# KiCad board megacrane.kicad_pcb
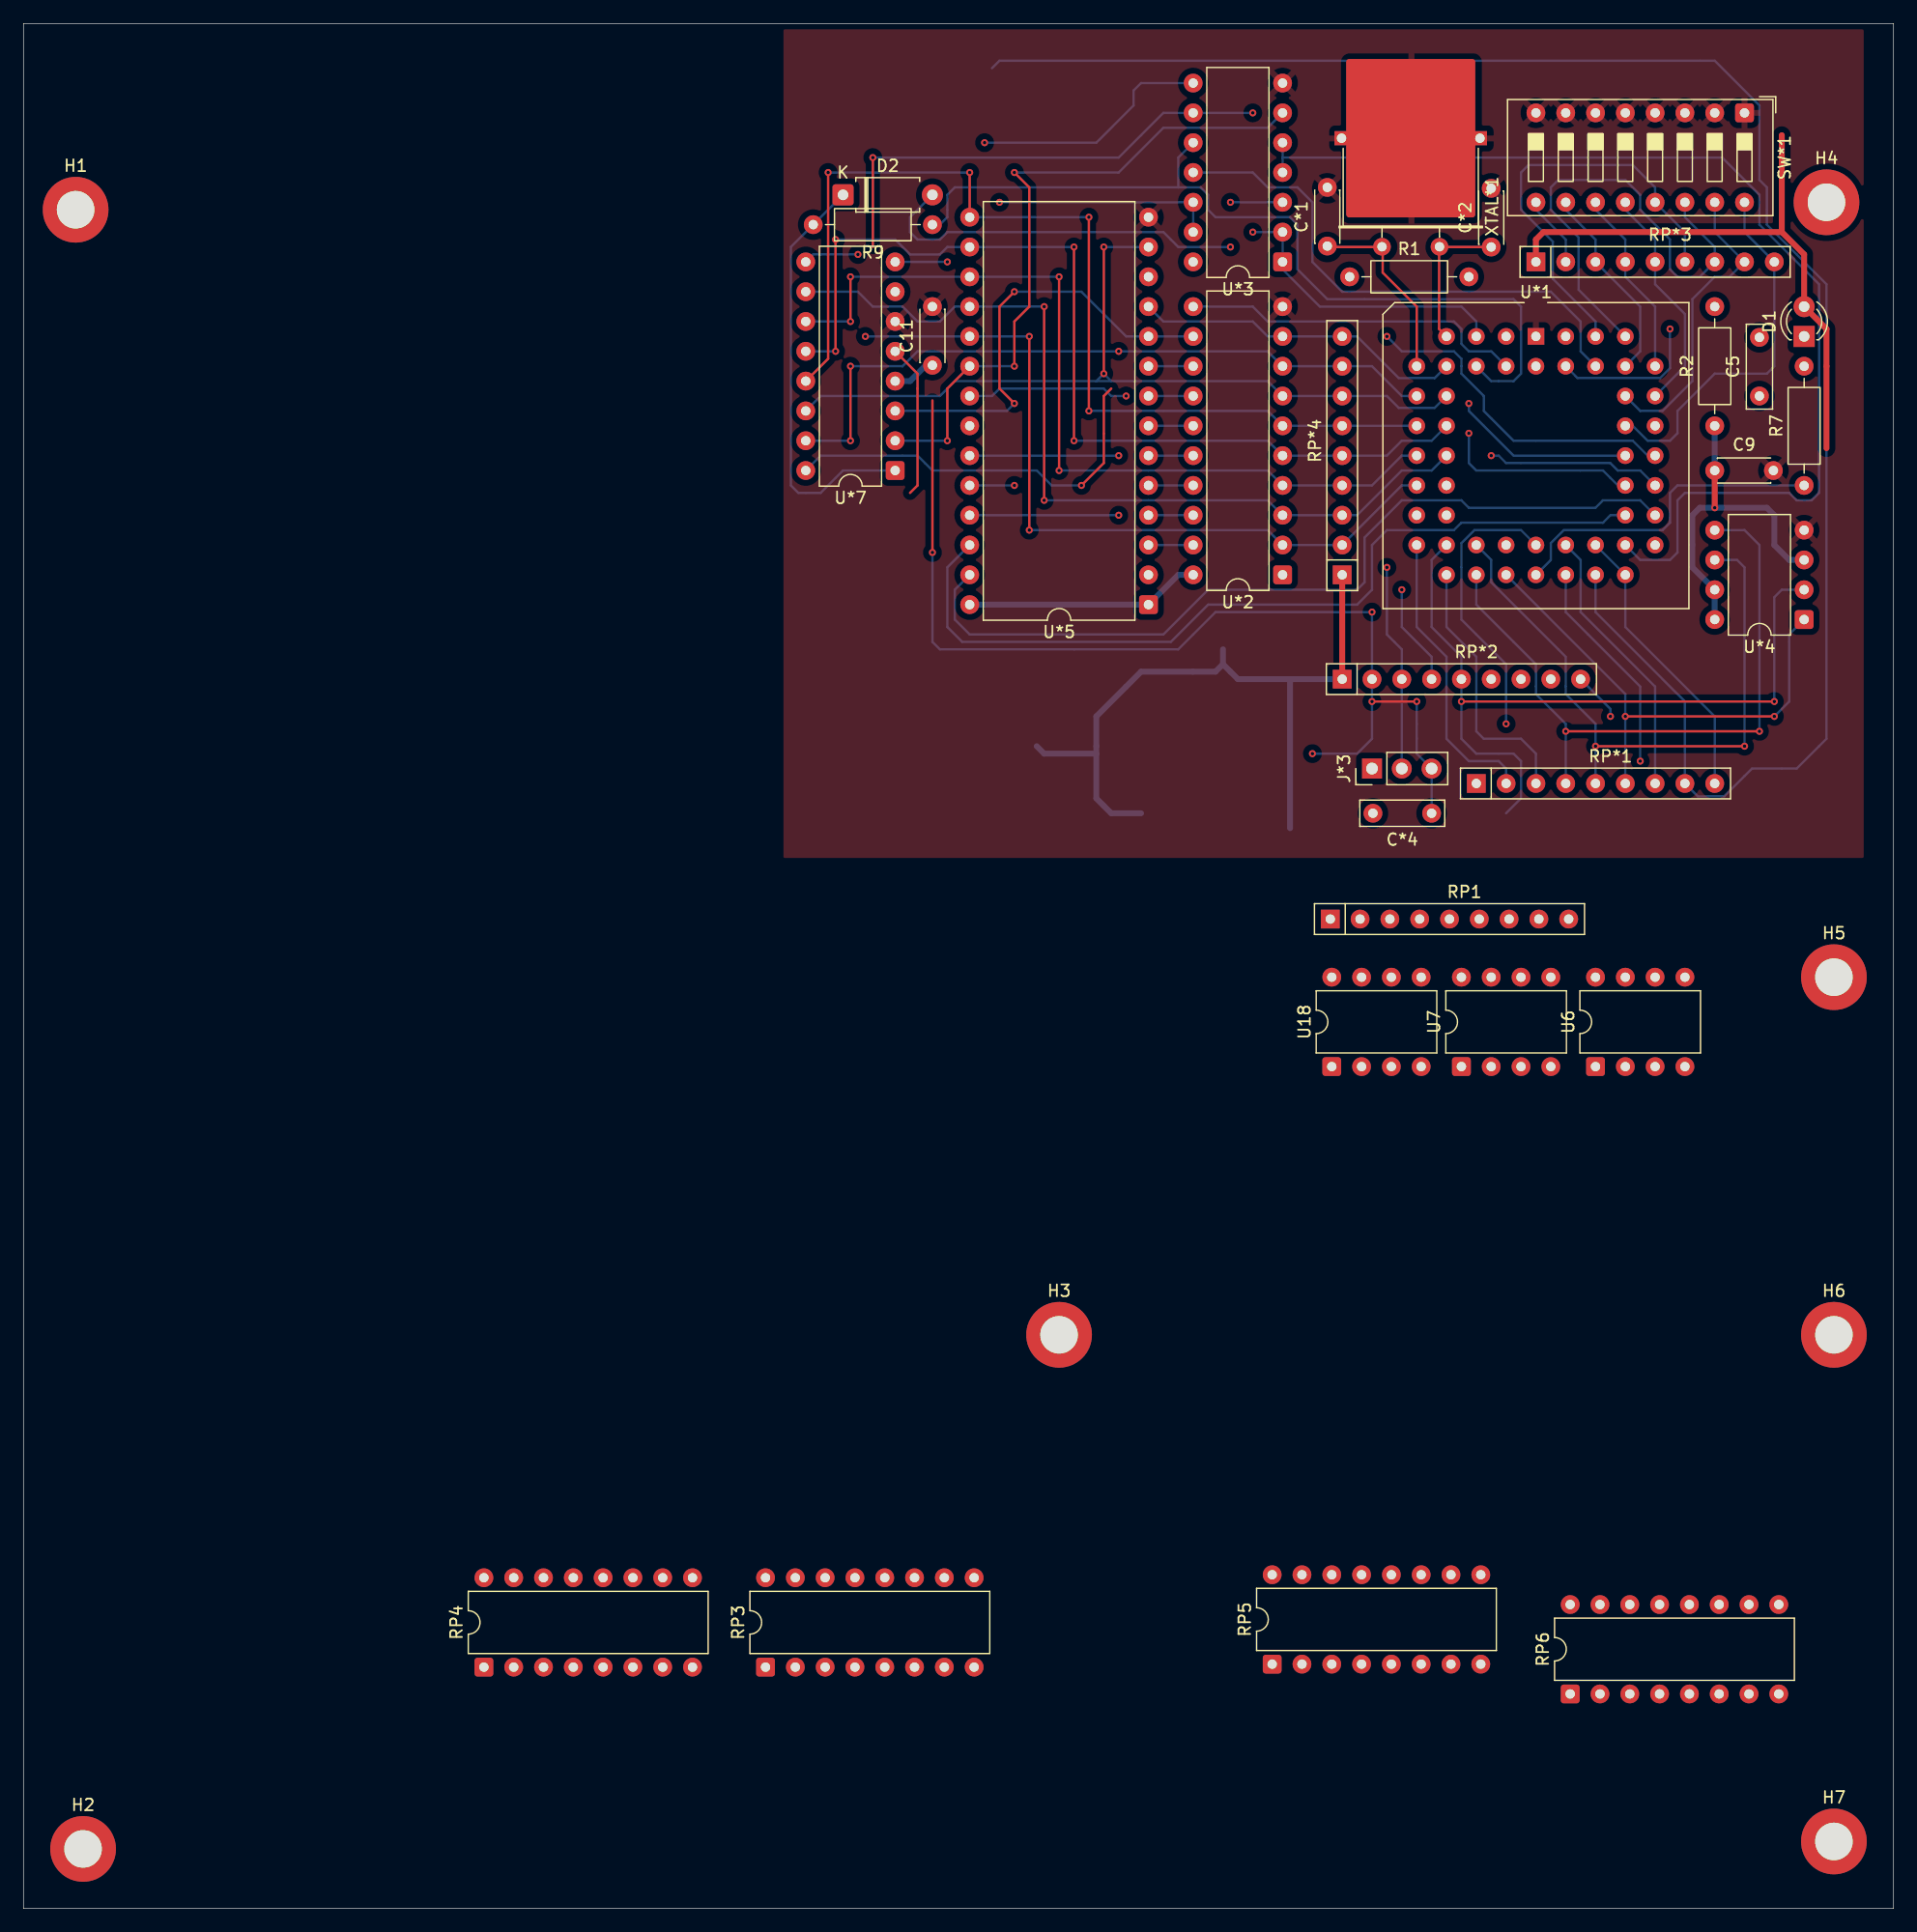
[diagram p0: board, top side]
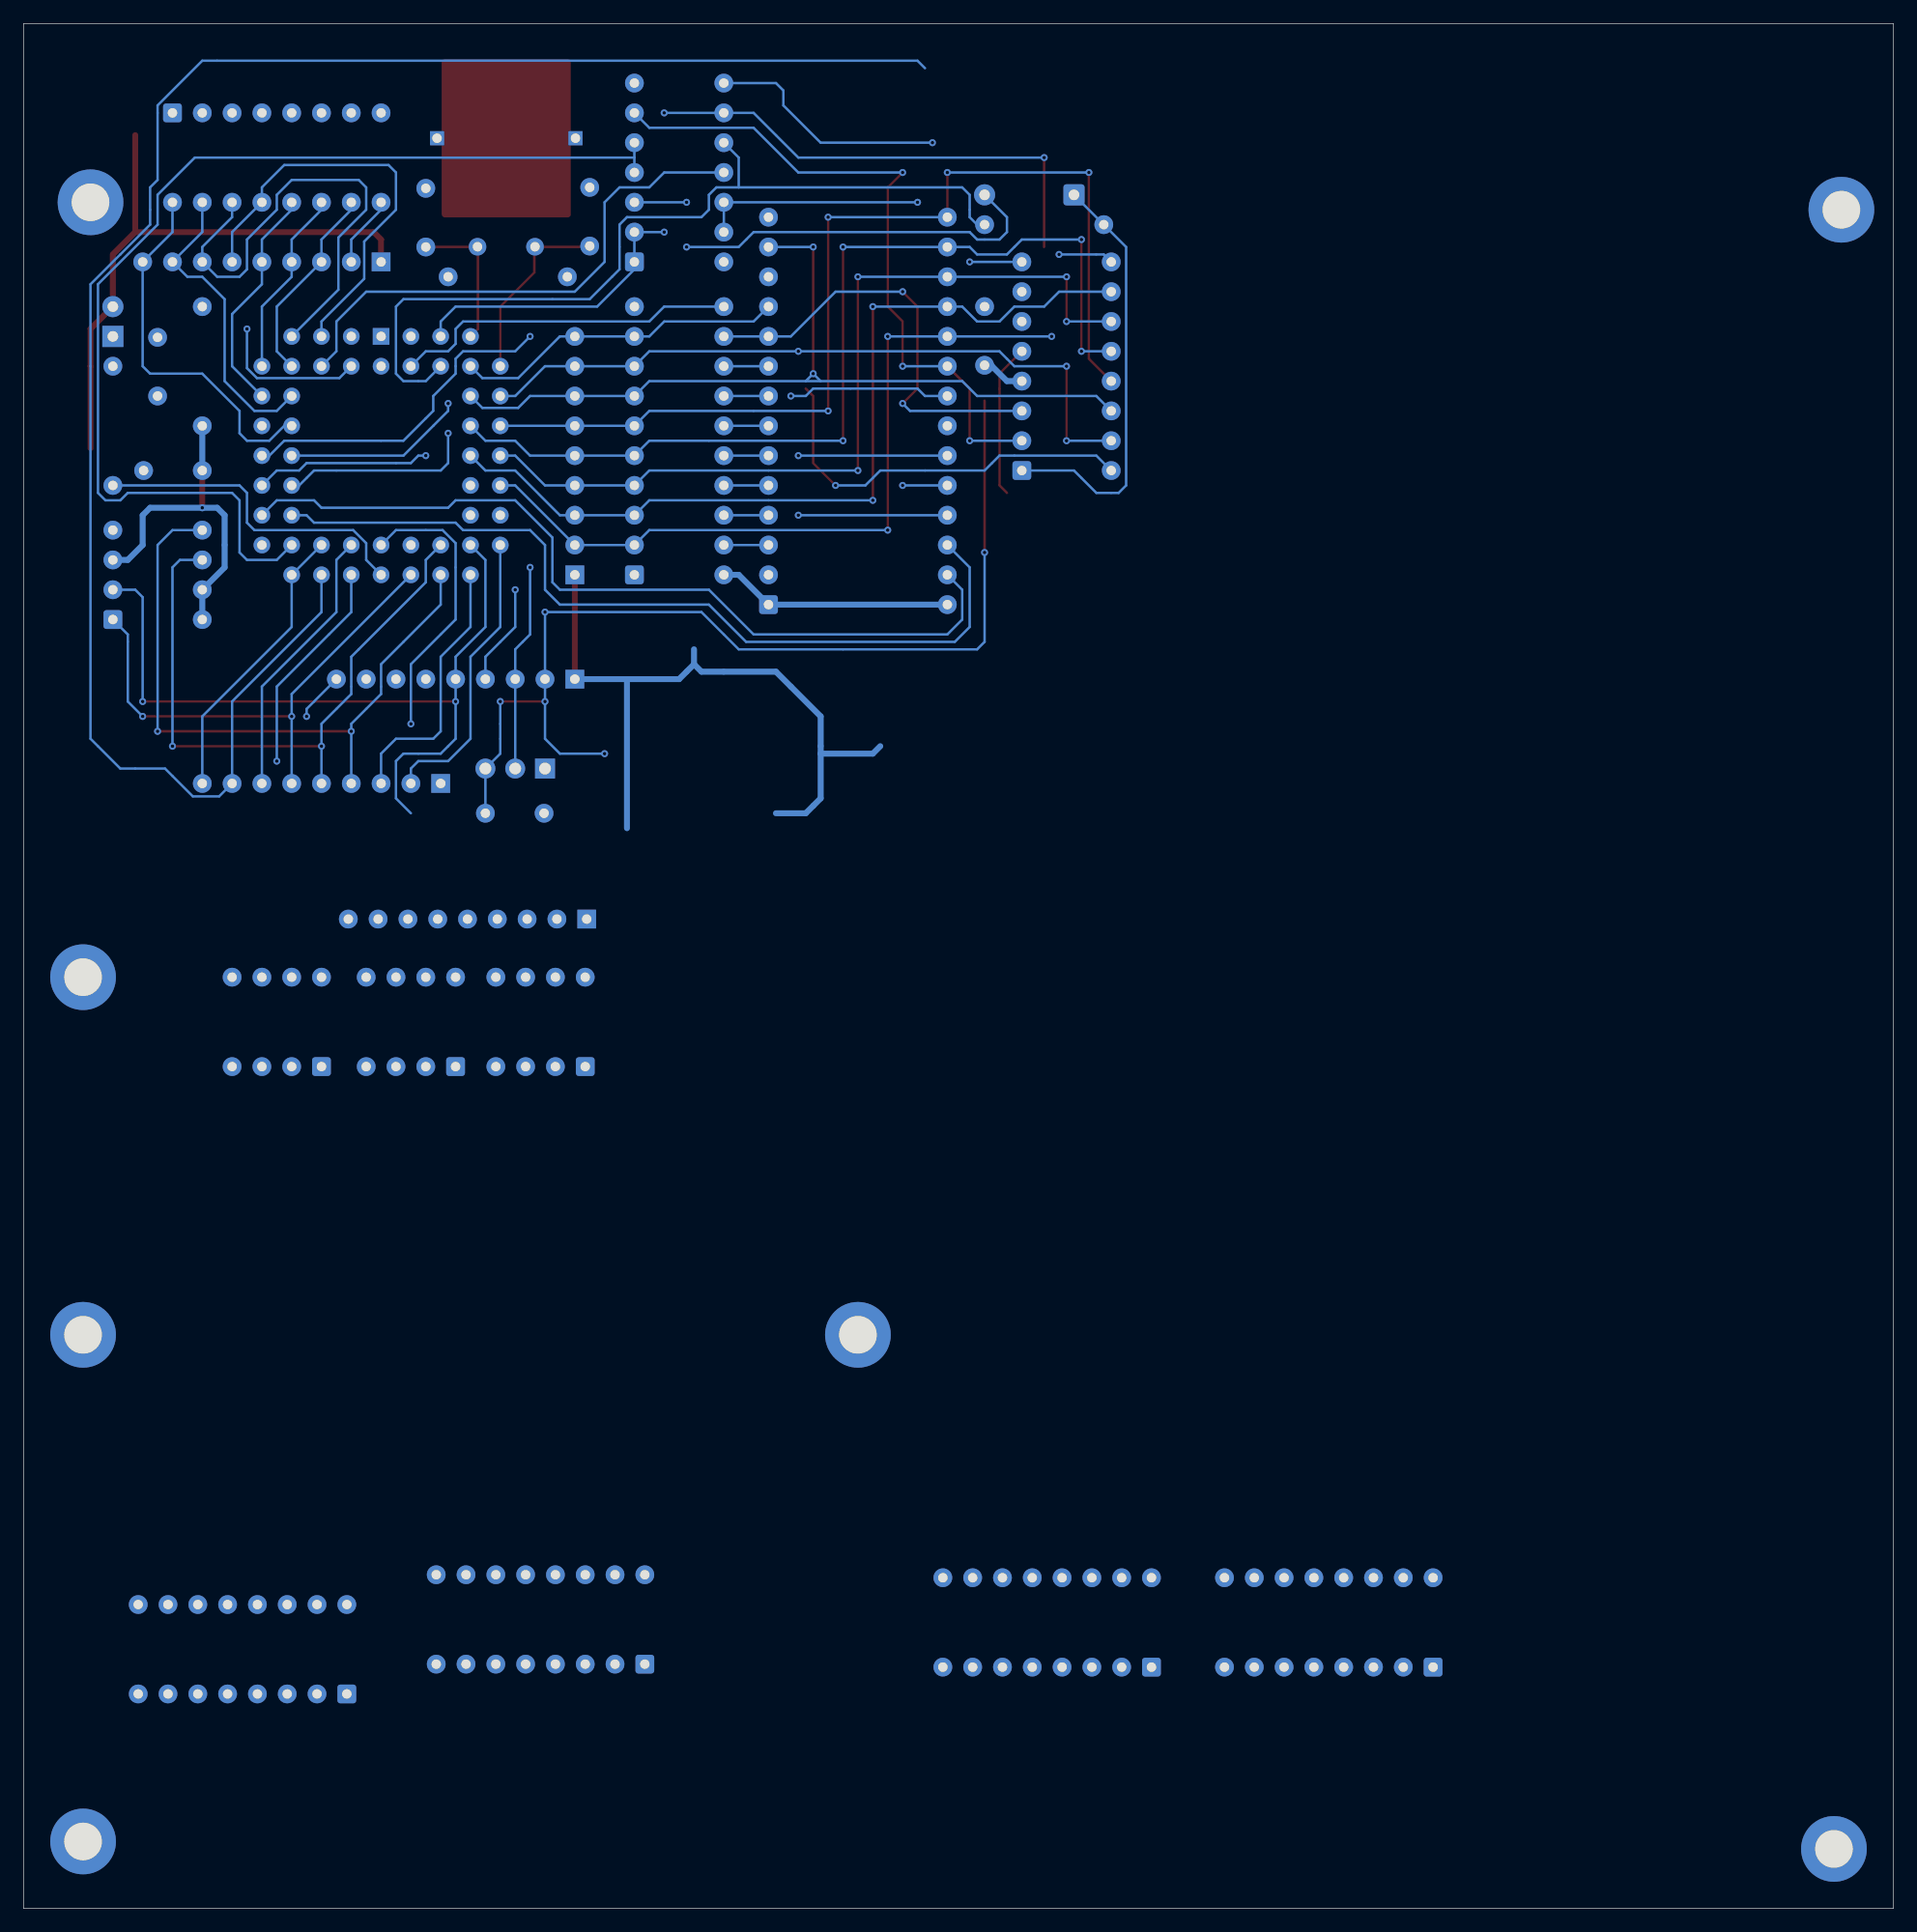
[diagram p1: board, bottom side, seen from below]

Outline 159.39 x 160.66 mm; copper layers: Top, Bottom. Coordinates in mm from the lower left corner of the outline.
Outline path: rectangle 0,160.66 159.39,0

## Placement (name value [footprint] x y rotation side)
C5  K100nK63  [C_Rect_L7.0mm_W2.0mm_P5.00mm]  147.96 128.91 90 top
C9  104 M5E  [C_Disc_D4.3mm_W1.9mm_P5.00mm]  144.15 122.56 0 top
C11  C  [C_Disc_D4.3mm_W1.9mm_P5.00mm]  77.47 131.53 90 top
C*1  C  [C_Disc_D4.3mm_W1.9mm_P5.00mm]  111.12 141.69 90 top
C*2  C  [C_Disc_D4.3mm_W1.9mm_P5.00mm]  125.09 141.61 90 top
C*4  K100nK63  [C_Rect_L7.0mm_W2.0mm_P5.00mm]  120.02 93.34 180 top
D1  LED  [LED_D3.0mm]  151.77 133.99 90 top
D2  D  [D_A-405_P7.62mm_Horizontal]  69.85 146.05 0 top
H1  ~  [MountingHole_3.2mm_M3_DIN965_Pad]  4.45 144.78 0 top
H2  ~  [MountingHole_3.2mm_M3_DIN965_Pad]  5.08 5.08 0 top
H3  ~  [MountingHole_3.2mm_M3_DIN965_Pad]  88.27 48.9 0 top
H4  ~  [MountingHole_3.2mm_M3_DIN965_Pad]  153.67 145.42 0 top
H5  ~  [MountingHole_3.2mm_M3_DIN965_Pad]  154.31 79.38 0 top
H6  ~  [MountingHole_3.2mm_M3_DIN965_Pad]  154.31 48.9 0 top
H7  ~  [MountingHole_3.2mm_M3_DIN965_Pad]  154.31 5.72 0 top
J*3  Conn_01x03  [PinHeader_1x03_P2.54mm_Vertical]  114.93 97.16 90 top
R1  10M  [R_Axial_DIN0207_L6.3mm_D2.5mm_P10.16mm_Horizontal]  113.03 139.06 0 top
R2  1k  [R_Axial_DIN0207_L6.3mm_D2.5mm_P10.16mm_Horizontal]  144.15 126.37 90 top
R7  470  [R_Axial_DIN0207_L6.3mm_D2.5mm_P10.16mm_Horizontal]  151.77 121.28 90 top
R9  R  [R_Axial_DIN0207_L6.3mm_D2.5mm_P10.16mm_Horizontal]  77.47 143.51 180 top
RP1  681  [R_Array_SIP9]  111.38 84.33 0 top
RP3  1k  [DIP-16_W7.62mm]  63.25 20.57 90 top
RP4  1k  [DIP-16_W7.62mm]  39.24 20.57 90 top
RP5  1k  [DIP-16_W7.62mm]  106.43 20.83 90 top
RP6  470  [DIP-16_W7.62mm]  131.83 18.29 90 top
RP*1  103  [R_Array_SIP9]  123.83 95.89 0 top
RP*2  472  [R_Array_SIP9]  112.39 104.78 0 top
RP*3  103  [R_Array_SIP9]  128.91 140.34 0 top
RP*4  103  [R_Array_SIP9]  112.39 113.67 90 top
SW*1  SW_DIP_x08  [SW_DIP_SPSTx08_Slide_9.78x22.5mm_W7.62mm_P2.54mm]  146.69 153.03 270 top
U6  TLP2530  [DIP-8_W7.62mm]  133.99 71.76 90 top
U7  TLP2530  [DIP-8_W7.62mm]  122.55 71.76 90 top
U18  TLP521-2  [DIP-8_W7.62mm]  111.51 71.76 90 top
U*1  68HC11E1CF  [PLCC-52_THT-Socket]  128.91 133.99 0 top
U*2  74HCT573  [DIP-20_W7.62mm]  107.31 113.67 180 top
U*3  74HCT00  [DIP-14_W7.62mm]  107.31 140.34 180 top
U*4  FM25040  [DIP-8_W7.62mm]  151.77 109.86 180 top
U*5  W27E512  [DIP-28_W15.24mm]  95.88 111.12 180 top
U*7  YMZ284  [DIP-16_W7.62mm]  74.3 122.56 180 top
XTAL*1  Crystal  [Crystal_HC49-U_Horizontal_1EP_style2]  120.69 141.63 180 top

## Library data of the parts
C5 C9 C11 C*1 C*2 C*4 = -: Description: Unpolarized capacitor; ki_fp_filters: C_*
D1 = -: Description: Light emitting diode; Sim.Pins: 1=K 2=A; ki_fp_filters: LED* LED_SMD:* LED_THT:*
D2 = -: Description: Diode; Sim.Pins: 1=K 2=A; ki_fp_filters: TO-???* *_Diode_* *SingleDiode* D_*
H1-H7 = -: Description: Mounting Hole with connection; ki_fp_filters: MountingHole*Pad*
J*3 = -: Description: Generic connector, single row, 01x03, script generated (kicad-library-utils/schlib/autogen/connector/); ki_fp_filters: Connector*:*_1x??_*
R1 R2 R7 R9 = -: Description: Resistor; ki_fp_filters: R_*
RP1 RP*1-RP*4 = -: Datasheet: http://www.vishay.com/docs/31509/csc.pdf; Description: 8 resistor network, star topology, bussed resistors, small symbol; ki_fp_filters: R?Array?SIP*
RP3-RP6 = -: Description: 8 resistor network, parallel topology; ki_fp_filters: DIP* SOIC* R*Array*Concave* R*Array*Convex*
SW*1 = -: Description: 8x DIP Switch, Single Pole Single Throw (SPST) switch, small symbol; ki_fp_filters: SW?DIP?x8*
U6 U7 = -: Datasheet: http://toshiba.semicon-storage.com/info/docget.jsp?did=16821&prodName=TLP250; Description: Gate Drive Optocoupler, Output Current 1.5/1.5A, DIP-8; ki_fp_filters: DIP*W7.62mm*
U18 = -: Datasheet: http://optoelectronics.liteon.com/upload/download/DS-70-96-0016/LTV-8X7%20series%20201610%20.pdf; Description: Dual DC Optocoupler, Vce 35V, CTR 50%, DIP-8; ki_fp_filters: DIP*W7.62mm*
U*1 = -: Description: HC11 Microcontroller, PLCC-52
U*2 = -: Datasheet: 74xx/74hc573.pdf; Description: 8-bit Latch 3-state outputs; ki_fp_filters: DIP?20*
U*3 = -: Datasheet: http://www.ti.com/lit/gpn/sn74hct00; Description: quad 2-input NAND gate; ki_fp_filters: DIP*W7.62mm* SO14*
U*4 = -: Datasheet: http://www.onsemi.com/PowerSolutions/product.do?id=CAT25040; Description: ON Semiconductor SPI Serial EEPROM, DIP-8/SOIC-8/TSSOP-8; ki_fp_filters: DIP*W7.62mm* SOIC*3.9x4.9mm* TSSOP*4.4x3mm*P0.65mm*
U*5 = -: Datasheet: http://ww1.microchip.com/downloads/en/DeviceDoc/doc0015.pdf; Description: OTP EPROM 512 KiBit; ki_fp_filters: DIP*W15.24mm*
XTAL*1 = -: Description: Three pin crystal, GND on pin 3; ki_fp_filters: Crystal*

## Footprints (pads in the part's own frame, mm; a bottom-side part is the same pattern mirrored in y, then rotated)
C_Disc_D4.3mm_W1.9mm_P5.00mm
  round 1.6 hole 0.8: 1(0,0) 2(5,0)
C_Rect_L7.0mm_W2.0mm_P5.00mm
  round 1.6 hole 0.8: 1(0,0) 2(5,0)
Crystal_HC49-U_Horizontal_1EP_style2
  round 1.5 hole 0.8: 1(0,0) 2(4.9,0)
  rect 1.2x1.2 hole 0.8: 3(-3.45,-9.25) 3(8.35,-9.25)
  rrect 11x13.5 smd: 3(2.45,-9.25)
D_A-405_P7.62mm_Horizontal
  rrect 1.8x1.8 hole 0.9: 1(0,0)
  round 1.8 hole 0.9: 2(7.62,0)
DIP-8_W7.62mm
  rrect 1.6x1.6 hole 0.8: 1(0,0)
  round 1.6 hole 0.8: 2(0,-2.54) 3(0,-5.08) 4(0,-7.62) 5(7.62,-7.62) 6(7.62,-5.08) 7(7.62,-2.54) 8(7.62,0)
DIP-14_W7.62mm
  rrect 1.6x1.6 hole 0.8: 1(0,0)
  round 1.6 hole 0.8: 2(0,-2.54) 3(0,-5.08) 4(0,-7.62) 5(0,-10.16) 6(0,-12.7) 7(0,-15.24) 8(7.62,-15.24) 9(7.62,-12.7) 10(7.62,-10.16) 11(7.62,-7.62) 12(7.62,-5.08) 13(7.62,-2.54) 14(7.62,0)
DIP-16_W7.62mm
  rrect 1.6x1.6 hole 0.8: 1(0,0)
  round 1.6 hole 0.8: 2(0,-2.54) 3(0,-5.08) 4(0,-7.62) 5(0,-10.16) 6(0,-12.7) 7(0,-15.24) 8(0,-17.78) 9(7.62,-17.78) 10(7.62,-15.24) 11(7.62,-12.7) 12(7.62,-10.16) 13(7.62,-7.62) 14(7.62,-5.08) 15(7.62,-2.54) 16(7.62,0)
DIP-20_W7.62mm
  rrect 1.6x1.6 hole 0.8: 1(0,0)
  round 1.6 hole 0.8: 2(0,-2.54) 3(0,-5.08) 4(0,-7.62) 5(0,-10.16) 6(0,-12.7) 7(0,-15.24) 8(0,-17.78) 9(0,-20.32) 10(0,-22.86) 11(7.62,-22.86) 12(7.62,-20.32) 13(7.62,-17.78) 14(7.62,-15.24) 15(7.62,-12.7) 16(7.62,-10.16) 17(7.62,-7.62) 18(7.62,-5.08) 19(7.62,-2.54) 20(7.62,0)
DIP-28_W15.24mm
  rrect 1.6x1.6 hole 0.8: 1(0,0)
  round 1.6 hole 0.8: 2(0,-2.54) 3(0,-5.08) 4(0,-7.62) 5(0,-10.16) 6(0,-12.7) 7(0,-15.24) 8(0,-17.78) 9(0,-20.32) 10(0,-22.86) 11(0,-25.4) 12(0,-27.94) 13(0,-30.48) 14(0,-33.02) 15(15.24,-33.02) 16(15.24,-30.48) 17(15.24,-27.94) 18(15.24,-25.4) 19(15.24,-22.86) 20(15.24,-20.32) 21(15.24,-17.78) 22(15.24,-15.24) 23(15.24,-12.7) 24(15.24,-10.16) 25(15.24,-7.62) 26(15.24,-5.08) 27(15.24,-2.54) 28(15.24,0)
LED_D3.0mm
  rect 1.8x1.8 hole 0.9: 1(0,0)
  round 1.8 hole 0.9: 2(2.54,0)
MountingHole_3.2mm_M3_DIN965_Pad
  round 5.6 hole 3.2: 1(0,0)
PinHeader_1x03_P2.54mm_Vertical
  rect 1.7x1.7 hole 1: 1(0,0)
  round 1.7 hole 1: 2(0,-2.54) 3(0,-5.08)
PLCC-52_THT-Socket
  rect 1.422x1.422 hole 0.8: 1(0,0)
  round 1.422 hole 0.8: 2(0,-2.54) 3(-2.54,0) 4(-2.54,-2.54) 5(-5.08,0) 6(-5.08,-2.54) 7(-7.62,0) 8(-10.16,-2.54) 9(-7.62,-2.54) 10(-10.16,-5.08) 11(-7.62,-5.08) 12(-10.16,-7.62) 13(-7.62,-7.62) 14(-10.16,-10.16) 15(-7.62,-10.16) 16(-10.16,-12.7) 17(-7.62,-12.7) 18(-10.16,-15.24) 19(-7.62,-15.24) 20(-10.16,-17.78) 21(-7.62,-20.32) 22(-7.62,-17.78) 23(-5.08,-20.32) 24(-5.08,-17.78) 25(-2.54,-20.32) 26(-2.54,-17.78) 27(0,-20.32) 28(0,-17.78) 29(2.54,-20.32) 30(2.54,-17.78) 31(5.08,-20.32) 32(5.08,-17.78) 33(7.62,-20.32) 34(10.16,-17.78) 35(7.62,-17.78) 36(10.16,-15.24) 37(7.62,-15.24) 38(10.16,-12.7) 39(7.62,-12.7) 40(10.16,-10.16) 41(7.62,-10.16) 42(10.16,-7.62) 43(7.62,-7.62) 44(10.16,-5.08) 45(7.62,-5.08) 46(10.16,-2.54) 47(7.62,0) 48(7.62,-2.54) 49(5.08,0) 50(5.08,-2.54) 51(2.54,0) 52(2.54,-2.54)
R_Array_SIP9
  rect 1.6x1.6 hole 0.8: 1(0,0)
  round 1.6 hole 0.8: 2(2.54,0) 3(5.08,0) 4(7.62,0) 5(10.16,0) 6(12.7,0) 7(15.24,0) 8(17.78,0) 9(20.32,0)
R_Axial_DIN0207_L6.3mm_D2.5mm_P10.16mm_Horizontal
  round 1.6 hole 0.8: 1(0,0) 2(10.16,0)
SW_DIP_SPSTx08_Slide_9.78x22.5mm_W7.62mm_P2.54mm
  rrect 1.6x1.6 hole 0.8: 1(0,0)
  round 1.6 hole 0.8: 2(0,-2.54) 3(0,-5.08) 4(0,-7.62) 5(0,-10.16) 6(0,-12.7) 7(0,-15.24) 8(0,-17.78) 9(7.62,-17.78) 10(7.62,-15.24) 11(7.62,-12.7) 12(7.62,-10.16) 13(7.62,-7.62) 14(7.62,-5.08) 15(7.62,-2.54) 16(7.62,0)

## Nets
GND: C9.2 C11.2 C*1.2 C*2.2 SW*1.1 SW*1.2 SW*1.3 SW*1.4 SW*1.5 SW*1.6 SW*1.7 SW*1.8 U*1.1 U*2.10 U*3.7 U*4.4 U*5.14 U*7.6 XTAL*1.3
VCC: C9.1 C11.1 D1.2 R2.1 RP*1.1 RP*2.1 RP*3.1 RP*4.1 U*1.26 U*2.20 U*3.14 U*4.3 U*4.7 U*4.8 U*5.1 U*5.28 U*7.4
/A0: U*2.12 U*5.10 U*7.3
/A1: U*2.13 U*5.9
/A2: U*2.14 U*5.8
/A3: U*2.15 U*5.7
/A4: U*2.16 U*5.6
/A5: U*2.17 U*5.5
/A6: U*2.18 U*5.4
/A7: U*2.19 U*5.3
/A8: U*1.42 U*5.25
/A9: U*1.41 U*5.24
/A10: U*1.40 U*5.21
/A11: U*1.39 U*5.23
/A12: U*1.38 U*5.2
/A13: U*1.37 U*5.26
/A14: U*1.36 U*5.27
/A15: U*1.35 U*3.4 U*3.5
/AD0: RP*4.9 U*1.9 U*2.9 U*5.11 U*7.16
/AD1: RP*4.8 U*1.10 U*2.8 U*5.12 U*7.15
/AD2: RP*4.7 U*1.11 U*2.7 U*5.13 U*7.14
/AD3: RP*4.6 U*1.12 U*2.6 U*5.15 U*7.13
/AD4: RP*4.5 U*1.13 U*2.5 U*5.16 U*7.12
/AD5: RP*4.4 U*1.14 U*2.4 U*5.17 U*7.11
/AD6: RP*4.3 U*1.15 U*2.3 U*5.18 U*7.10
/AD7: RP*4.2 U*1.16 U*2.2 U*5.19 U*7.9
/AS: U*1.4 U*2.11
/CE: U*3.6 U*5.20 U*7.2
/E: U*1.5 U*3.1 U*3.2
/PE0: RP*3.9 SW*1.16 U*1.43
/PE1: RP*3.8 SW*1.15 U*1.45
/PE2: RP*3.7 SW*1.14 U*1.47
/PE3: RP*3.6 SW*1.13 U*1.49
/PE4: RP*3.5 SW*1.12 U*1.44
/PE5: RP*3.4 SW*1.11 U*1.46
/PE6: RP*3.3 SW*1.10 U*1.48
/PE7: U*1.50 U*3.11
/RW: R9.1 U*1.6 U*3.10
/SPI_CS: RP*1.6 U*1.25 U*4.1
/SPI_MISO: RP*2.5 U*1.22 U*4.2
/SPI_MOSI: RP*1.4 U*1.23 U*4.5
/SPI_SCK: RP*1.5 U*1.24 U*4.6
Net-(D1-K): D1.1 R7.2
Net-(D2-K): D2.1 R9.2 U*7.1
Net-(J*3-Pin_2): J*3.2 RP*2.3 U*1.18
Net-(J*3-Pin_3): C*4.1 J*3.3 RP*2.2
Net-(RP*1-R1): RP*1.2 U*1.20
Net-(RP*1-R2): RP*1.3 U*1.21
Net-(RP*1-R6): RP*1.7 U*1.30
Net-(RP*1-R7): RP*1.8 U*1.31
Net-(RP*1-R8): RP*1.9 U*1.32 U*1.33
Net-(RP*2-R3): RP*2.4 U*1.19
Net-(RP*3-R1): RP*3.2 SW*1.9
Net-(U*1-EXTAL): C*2.1 U*1.7 XTAL*1.1
Net-(U*1-PA1/PA7): R7.1 U*1.27
Net-(U*1-XTAL): C*1.1 U*1.8 XTAL*1.2
Net-(U*3-Pad12): U*3.12 U*3.13

Pads without a net: C5 1 2; C*4 2; D2 2; H1 1; H2 1; H3 1; H4 1; H5 1; H6 1; H7 1; J*3 1; R1 1 2; R2 2; RP1 1 2 3 4 5 6 7 8 9; RP3 1 2 3 4 5 6 7 8 9 10 11 12 13 14 15 16; RP4 1 2 3 4 5 6 7 8 9 10 11 12 13 14 15 16; RP5 1 2 3 4 5 6 7 8 9 10 11 12 13 14 15 16; RP6 1 2 3 4 5 6 7 8 9 10 11 12 13 14 15 16; RP*2 6 7 8 9; U6 1 2 3 4 5 6 7 8; U7 1 2 3 4 5 6 7 8; U18 1 2 3 4 5 6 7 8; U*1 2 3 17 28 29 34 51 52; U*2 1; U*3 3 8 9; U*5 22; U*7 5 7 8

## Via types
v1: diameter 0.6, hole 0.3, Top to Bottom, 65 vias

## Routing (per net, layer and track width the routed paths; a pad name or vN(x,y) marks a point on that pad's centre or on a via; arc(x,y) is an arc through that point)
VCC: length 167.8
  Top w0.5: 149.86,142.88 151.77,140.97 D1.2 153.67,134.62 153.67,124.46 ; 149.86,142.88 129.54,142.88 128.91,142.24 RP*3.1 ; 149.86,142.88 149.86,151.13 ; RP*4.1 RP*2.1 ; v1(144.15,119.38) C9.1
  Bottom w0.5: 91.44,98.43 91.44,101.6 95.25,105.41 101.6,105.41 102.23,106.05 ; 91.44,98.43 91.44,94.62 92.71,93.34 95.25,93.34 ; 91.44,98.43 86.99,98.43 86.36,99.06 ; U*4.3 150.5,114.94 149.23,116.2 149.23,118.75 148.59,119.38 v1(144.15,119.38) 142.88,119.38 142.24,118.75 142.24,114.3 U*4.7 U*4.8 ; RP*2.1 107.95,104.78 ; 107.95,104.78 107.95,92.08 ; 107.95,104.78 103.5,104.78 102.23,106.05 ; 102.23,106.05 102.23,107.31 ; U*5.28 U*5.1 98.42,113.67 U*2.20 ; 77.47,131.44 76.83,131.44 75.56,130.18 U*7.4 ; C9.1 R2.1
/A0: length 37.8
  Top w0.2: v1(84.45,137.8) 83.19,136.53 83.19,129.54 v1(84.45,128.27)
  Bottom w0.2: v1(84.45,128.27) 83.82,127.64 U*7.3 ; v1(84.45,137.8) 90.17,137.8 93.98,133.99 U*5.10 U*2.12
/A1: length 3.8
  Bottom w0.2: U*2.13 U*5.9
/A2: length 3.8
  Bottom w0.2: U*5.8 U*2.14
/A3: length 3.8
  Bottom w0.2: U*2.15 U*5.7
/A4: length 3.8
  Bottom w0.2: U*5.6 U*2.16
/A5: length 3.8
  Bottom w0.2: U*2.17 U*5.5
/A6: length 3.8
  Bottom w0.2: U*5.4 U*2.18
/A7: length 3.8
  Bottom w0.2: U*5.3 U*2.19
/A8: length 12.7
  Bottom w0.2: U*5.25 v1(93.34,118.75)
/A9: length 19.4
  Bottom w0.2: U*1.41 127,123.83 123.19,127.64 v1(123.19,128.27) ; U*5.24 v1(84.45,121.28)
/A10: length 42.4
  Bottom w0.2: v1(93.98,128.91) 92.71,128.91 92.08,129.54 83.19,129.54 82.55,128.91 U*5.21 ; U*1.40 138.43,123.83 137.16,125.09 127,125.09 124.46,127.64 124.46,128.91 122.55,130.81 122.55,132.08 121.92,132.72 117.48,132.72 v1(116.2,133.99)
/A11: length 29.4
  Bottom w0.2: v1(123.19,125.73) 123.19,123.19 123.83,122.56 134.62,122.56 135.89,121.28 U*1.39 ; U*5.23 v1(93.34,123.83)
/A12: length 15
  Bottom w0.2: v1(125.09,123.83) 125.73,123.83 126.36,123.19 135.26,123.19 135.89,122.56 137.8,122.56 U*1.38
/A13: length 72.8
  Bottom w0.2: U*1.37 135.26,118.75 134.62,118.11 122.55,118.11 121.92,117.48 116.2,117.48 114.93,116.2 114.93,112.4 113.67,111.12 100.96,111.12 97.79,107.95 80.01,107.95 78.74,109.22 78.74,114.3 U*5.26
/A14: length 72.6
  Bottom w0.2: U*5.27 79.38,112.4 79.38,109.86 80.64,108.59 97.16,108.59 100.96,112.4 113.67,112.4 114.3,113.03 114.3,116.84 117.48,120.02 122.55,120.02 123.19,119.38 133.99,119.38 134.62,120.02 137.8,120.02 U*1.36
/A15: length 94.5
  Bottom w0.2: 107.31,149.22 144.78,149.22 147.96,146.05 147.96,143.51 153.03,138.43 153.03,120.65 152.4,120.02 151.13,120.02 150.5,120.65 141.61,120.65 140.97,120.02 140.97,115.57 140.34,114.94 137.8,114.94 U*1.35 ; 107.31,149.22 U*3.4 ; 107.31,149.22 U*3.5
/AD0: length 62.7
  Top w0.2: v1(90.17,121.28) 92.08,123.19 92.08,128.91 92.71,129.54
  Bottom w0.2: U*5.11 97.16,135.25 104.77,135.25 106.05,133.99 U*2.9 RP*4.9 113.67,133.99 117.22,130.43 120.27,130.43 U*1.9 ; U*7.16 67.94,123.83 76.2,123.83 77.47,122.56 86.36,122.56 87.63,121.28 v1(90.17,121.28)
/AD1: length 60.5
  Top w0.2: v1(70.48,125.09) v1(70.48,131.44)
  Bottom w0.2: v1(70.48,131.44) 74.93,131.44 76.2,132.72 v1(93.34,132.72) 106.05,132.72 U*2.8 RP*4.8 114.93,131.44 117.48,128.91 U*1.10 ; U*7.15 v1(70.48,125.09)
/AD2: length 73.4
  Top w0.2: v1(92.08,141.61) v1(92.08,130.81)
  Bottom w0.2: 92.71,130.18 v1(92.08,130.81) 91.44,130.18 ; 92.71,130.18 106.05,130.18 U*2.7 RP*4.7 116.2,128.91 117.22,127.89 120.27,127.89 U*1.11 ; 92.71,130.18 91.44,130.18 ; U*5.13 v1(92.08,141.61) ; 91.44,130.18 79.38,130.18 78.1,128.91 67.94,128.91 U*7.14
/AD3: length 89.6
  Top w0.2: v1(80.64,147.96) U*5.15 ; v1(90.8,144.15) v1(90.8,127.64) ; U*7.13 68.58,132.08 v1(68.58,147.96)
  Bottom w0.2: U*5.15 v1(90.8,144.15) ; v1(68.58,147.96) v1(80.64,147.96) ; v1(90.8,127.64) 106.05,127.64 U*2.6 RP*4.6 U*1.12
/AD4: length 83
  Top w0.2: v1(89.53,125.09) v1(89.53,141.61) ; v1(69.21,132.72) v1(69.21,142.24)
  Bottom w0.2: U*1.13 120.02,125.09 117.48,125.09 116.2,123.83 RP*4.5 U*2.5 106.05,125.09 v1(89.53,125.09) ; v1(69.21,142.24) 74.3,142.24 75.56,140.97 78.1,140.97 78.74,141.61 U*5.16 v1(89.53,141.61) ; U*7.12 v1(69.21,132.72)
/AD5: length 74
  Top w0.2: v1(88.27,122.56) v1(88.27,139.06) ; v1(70.48,135.25) v1(70.48,139.06)
  Bottom w0.2: U*1.14 117.48,123.83 114.93,121.28 RP*4.4 U*2.4 106.05,122.56 v1(88.27,122.56) ; U*7.11 v1(70.48,135.25) ; v1(70.48,139.06) U*5.17 v1(88.27,139.06)
/AD6: length 75.3
  Top w0.2: v1(86.99,120.02) v1(86.99,136.53)
  Bottom w0.2: U*7.10 71.12,137.8 72.39,136.53 74.93,136.53 76.2,135.25 78.1,135.25 79.38,136.53 U*5.18 v1(86.99,136.53) ; v1(86.99,120.02) 106.05,120.02 U*2.3 RP*4.3 113.67,118.75 117.48,122.56 120.02,122.56 U*1.15
/AD7: length 70.8
  Top w0.2: v1(85.72,117.48) v1(85.72,133.99)
  Bottom w0.2: U*1.16 117.48,121.28 RP*4.2 U*2.2 106.05,117.48 v1(85.72,117.48) ; v1(85.72,133.99) U*5.19 v1(71.75,133.99) ; U*7.9 67.31,140.97 v1(71.12,140.97)
/AS: length 29.5
  Bottom w0.2: U*1.4 125.09,132.72 123.19,132.72 122.55,133.35 122.55,134.62 121.92,135.25 106.05,135.25 104.77,136.53 U*2.11
/CE: length 57.9
  Top w0.2: v1(78.74,125.09) 78.74,129.54 U*5.20 ; v1(84.45,147.96) 85.72,146.69 85.72,136.53 84.45,135.25 v1(84.45,131.44)
  Bottom w0.2: U*5.20 v1(84.45,131.44) ; U*3.6 106.05,151.77 97.16,151.77 93.34,147.96 v1(84.45,147.96) ; U*7.2 v1(78.74,125.09)
/E: length 25.3
  Bottom w0.2: U*1.5 123.83,135.25 122.55,136.53 110.49,136.53 107.31,139.7 U*3.2 v1(104.77,142.88)
/PE0: length 32
  Bottom w0.2: SW*1.16 146.69,142.88 RP*3.9 149.23,131.44 148.59,130.81 144.15,130.81 140.97,127.64 140.97,125.73 140.34,125.09 138.43,125.09 137.16,126.37 U*1.43
/PE1: length 26.2
  Bottom w0.2: SW*1.15 144.15,142.88 RP*3.8 145.42,139.06 144.15,139.06 142.24,137.16 142.24,130.18 139.7,127.64 137.8,127.64 U*1.45
/PE2: length 41.9
  Bottom w0.2: U*1.47 132.55,137.96 132.55,142.41 130.18,144.78 130.18,146.69 130.81,147.32 136.53,147.32 137.8,146.05 137.8,144.78 140.34,142.24 140.34,139.7 140.97,139.06 142.88,139.06 RP*3.7 144.15,141.61 141.61,144.15 SW*1.14
/PE3: length 36.5
  Bottom w0.2: RP*3.6 141.61,142.88 SW*1.13 139.06,146.69 137.16,148.59 128.27,148.59 127.64,147.96 127.64,144.78 130.34,142.07 130.34,138.9 133.99,135.25 U*1.49
/PE4: length 19.7
  Bottom w0.2: U*1.44 141.61,131.44 141.61,135.89 139.06,138.43 RP*3.5 139.06,142.24 136.53,144.78 SW*1.12
/PE5: length 16.1
  Bottom w0.2: U*1.46 139.06,136.53 136.53,139.06 RP*3.4 136.53,142.24 133.99,144.78 SW*1.11
/PE6: length 17.1
  Bottom w0.2: U*1.48 137.8,132.72 137.8,136.53 RP*3.3 133.99,142.24 131.45,144.78 SW*1.10
/PE7: length 45.6
  Bottom w0.2: U*1.50 132.72,132.72 132.72,135.25 130.18,137.8 112.39,137.8 109.85,140.34 109.85,145.42 108.58,146.69 106.05,146.69 104.77,147.96 U*3.11
/RW: length 75.1
  Bottom w0.2: U*1.6 125.09,130.18 127,130.18 127.64,130.81 127.64,136.53 127,137.16 111.12,137.16 108.58,139.7 108.58,143.51 107.95,144.15 101.6,144.15 100.96,144.78 100.96,146.05 100.33,146.69 98.42,146.69 ; 76.83,143.51 78.1,143.51 78.74,144.15 78.74,146.05 79.38,146.69 98.42,146.69 ; 98.42,146.69 98.42,149.22 U*3.10
/SPI_CS: length 44
  Top w0.2: v1(136.53,101.6) v1(149.23,101.6)
  Bottom w0.2: U*4.1 150.5,108.59 150.5,102.87 v1(149.23,101.6) ; U*1.25 136.53,103.51 v1(136.53,101.6) RP*1.6
/SPI_MISO: length 67.3
  Top w0.2: v1(149.23,102.87) v1(122.55,102.87)
  Bottom w0.2: v1(149.23,102.87) 149.23,111.76 149.86,112.4 U*4.2 ; U*1.22 120.02,114.94 120.02,109.22 122.55,106.68 RP*2.5 v1(122.55,102.87) 122.55,99.7 123.83,98.43 127,98.43 127.64,97.79 127.64,94.62 126.36,93.34
/SPI_MOSI: length 57.7
  Top w0.2: v1(147.96,100.33) v1(131.45,100.33)
  Bottom w0.2: v1(147.96,100.33) 147.96,116.2 146.69,117.48 U*4.5 ; RP*1.4 v1(131.45,100.33) 131.45,100.97 128.91,103.51 128.91,106.05 123.83,111.12 U*1.23
/SPI_SCK: length 55.3
  Top w0.2: v1(146.69,99.06) v1(133.99,99.06)
  Bottom w0.2: RP*1.5 v1(133.99,99.06) 133.99,100.97 131.45,103.51 131.45,106.68 125.09,113.03 125.09,114.94 U*1.24 ; v1(146.69,99.06) 146.69,114.3 146.05,114.94 U*4.6
Net-(D2-K): length 36.5
  Bottom w0.2: U*7.1 69.85,122.56 67.94,120.65 66.04,120.65 65.41,121.28 65.41,141.61 R9.2 D2.1
Net-(J*3-Pin_2): length 17.7
  Bottom w0.2: J*3.2 RP*2.3 117.48,107.31 116.2,108.59 v1(116.2,114.3)
Net-(J*3-Pin_3): length 89.9
  Top w0.2: v1(114.93,102.87) v1(118.74,102.87) ; v1(77.47,115.57) 77.47,128.52
  Bottom w0.2: v1(109.85,98.43) 113.67,98.43 114.93,99.7 v1(114.93,102.87) RP*2.2 v1(114.93,110.49) 101.6,110.49 98.42,107.31 78.1,107.31 77.47,107.95 v1(77.47,115.57) ; C*4.1 J*3.3 118.74,98.43 v1(118.74,102.87)
Net-(RP*1-R1): length 25
  Bottom w0.2: RP*1.2 126.36,97.16 125.73,97.79 123.19,97.79 121.28,99.7 121.28,106.68 118.74,109.22 U*1.20
Net-(RP*1-R2): length 22.8
  Bottom w0.2: RP*1.3 128.91,98.43 127.64,99.7 124.46,99.7 123.83,100.33 123.83,106.68 121.28,109.22 U*1.21
Net-(RP*1-R6): length 23.5
  Bottom w0.2: RP*1.7 139.06,104.14 132.72,110.49 132.72,114.94 U*1.30
Net-(RP*1-R7): length 159.1
  Bottom w0.2: 82.55,156.84 83.19,157.48 144.15,157.48 147.96,153.67 147.96,147.32 148.59,146.69 148.59,143.51 153.67,138.43 153.67,99.7 151.13,97.16 147.32,97.16 144.95,94.78 142.71,94.78 RP*1.8 141.61,102.87 133.99,110.49 U*1.31
Net-(RP*1-R8): length 24.5
  Bottom w0.2: RP*1.9 144.15,101.6 136.53,109.22 U*1.33 U*1.32
Net-(RP*2-R3): length 8.7
  Bottom w0.2: RP*2.4 120.02,106.68 117.48,109.22 v1(117.48,112.4)
Net-(RP*3-R1): length 6.1
  Bottom w0.2: SW*1.9 128.91,144.78 131.45,142.24 RP*3.2
Net-(U*1-EXTAL): length 12.3
  Top w0.2: C*2.1 120.74,141.61 120.65,141.51 120.65,134.62 U*1.7
Net-(U*1-PA1/PA7): length 28.3
  Bottom w0.2: U*1.27 130.18,114.94 130.18,116.37 131.28,117.48 139.7,117.48 140.34,118.11 140.34,120.65 140.97,121.28 R7.1
Net-(U*1-XTAL): length 16.1
  Top w0.2: 111.12,141.61 115.84,141.61 115.84,139.43 118.74,136.53 U*1.8
Net-(U*3-Pad12): length 19
  Bottom w0.2: v1(83.19,145.42) U*3.12 U*3.13
unconnected-(D2-A-Pad2): length 32.3
  Bottom w0.2: v1(102.87,141.61) 98.42,141.61 97.16,142.88 78.74,142.88 78.1,142.24 76.2,142.24 75.56,142.88 75.56,144.15 D2.2
unconnected-(RP*2-R8-Pad9): length 4.2
  Bottom w0.2: RP*2.9 135.26,102.23 v1(135.26,101.6)
unconnected-(U*1-OC2/PA6-Pad28): length 24.3
  Bottom w0.2: v1(126.36,100.97) 126.36,106.05 122.55,109.86 122.55,116.37 123.66,117.48 127.64,117.48 U*1.28
unconnected-(U*1-OC3/PA5-Pad29): length 18.5
  Bottom w0.2: U*1.29 131.45,110.49 137.8,104.14 v1(137.8,97.79)
unconnected-(U*1-VRH-Pad52): length 13
  Bottom w0.2: U*1.52 132.46,130.43 139.48,130.43 140.34,131.28 v1(140.34,134.62)
unconnected-(U*3-Pad3): length 4.4
  Bottom w0.2: U*3.3 v1(102.87,145.42)
unconnected-(U*3-Pad8): length 20.6
  Bottom w0.2: U*3.8 95.25,155.57 94.61,154.94 94.61,153.67 91.44,150.5 v1(81.91,150.5)
unconnected-(U*3-Pad9): length 41.6
  Top w0.2: v1(72.39,149.22) 72.39,141.61
  Bottom w0.2: v1(72.39,149.22) 93.34,149.22 97.16,153.03 U*3.9 v1(104.77,153.03)
unconnected-(U*7-/IC-Pad8): length 4.4
  Bottom w0.2: U*7.8 v1(78.74,140.34)
unconnected-(U*7-SO-Pad5): length 13.1
  Top w0.2: U*7.5 76.2,130.81 76.2,121.28 75.56,120.65

## Copper pours and planes (outline as drawn; the poured copper is in the pictures)
GND on Top: 156.84,89.54 156.84,160.66 64.77,160.66 64.77,89.54
